# Altium PCB DieuKhien_PCB.PcbDoc
Units mm, origin at the board's own origin, x right, y up, seen from the top; angles counter-clockwise.
Board outline 98 x 85 mm, 2 copper layers (Top Layer, Bottom Layer), stack 1.58 mm thick; 16 components, 32 nets, 103 pads, 155 vias.
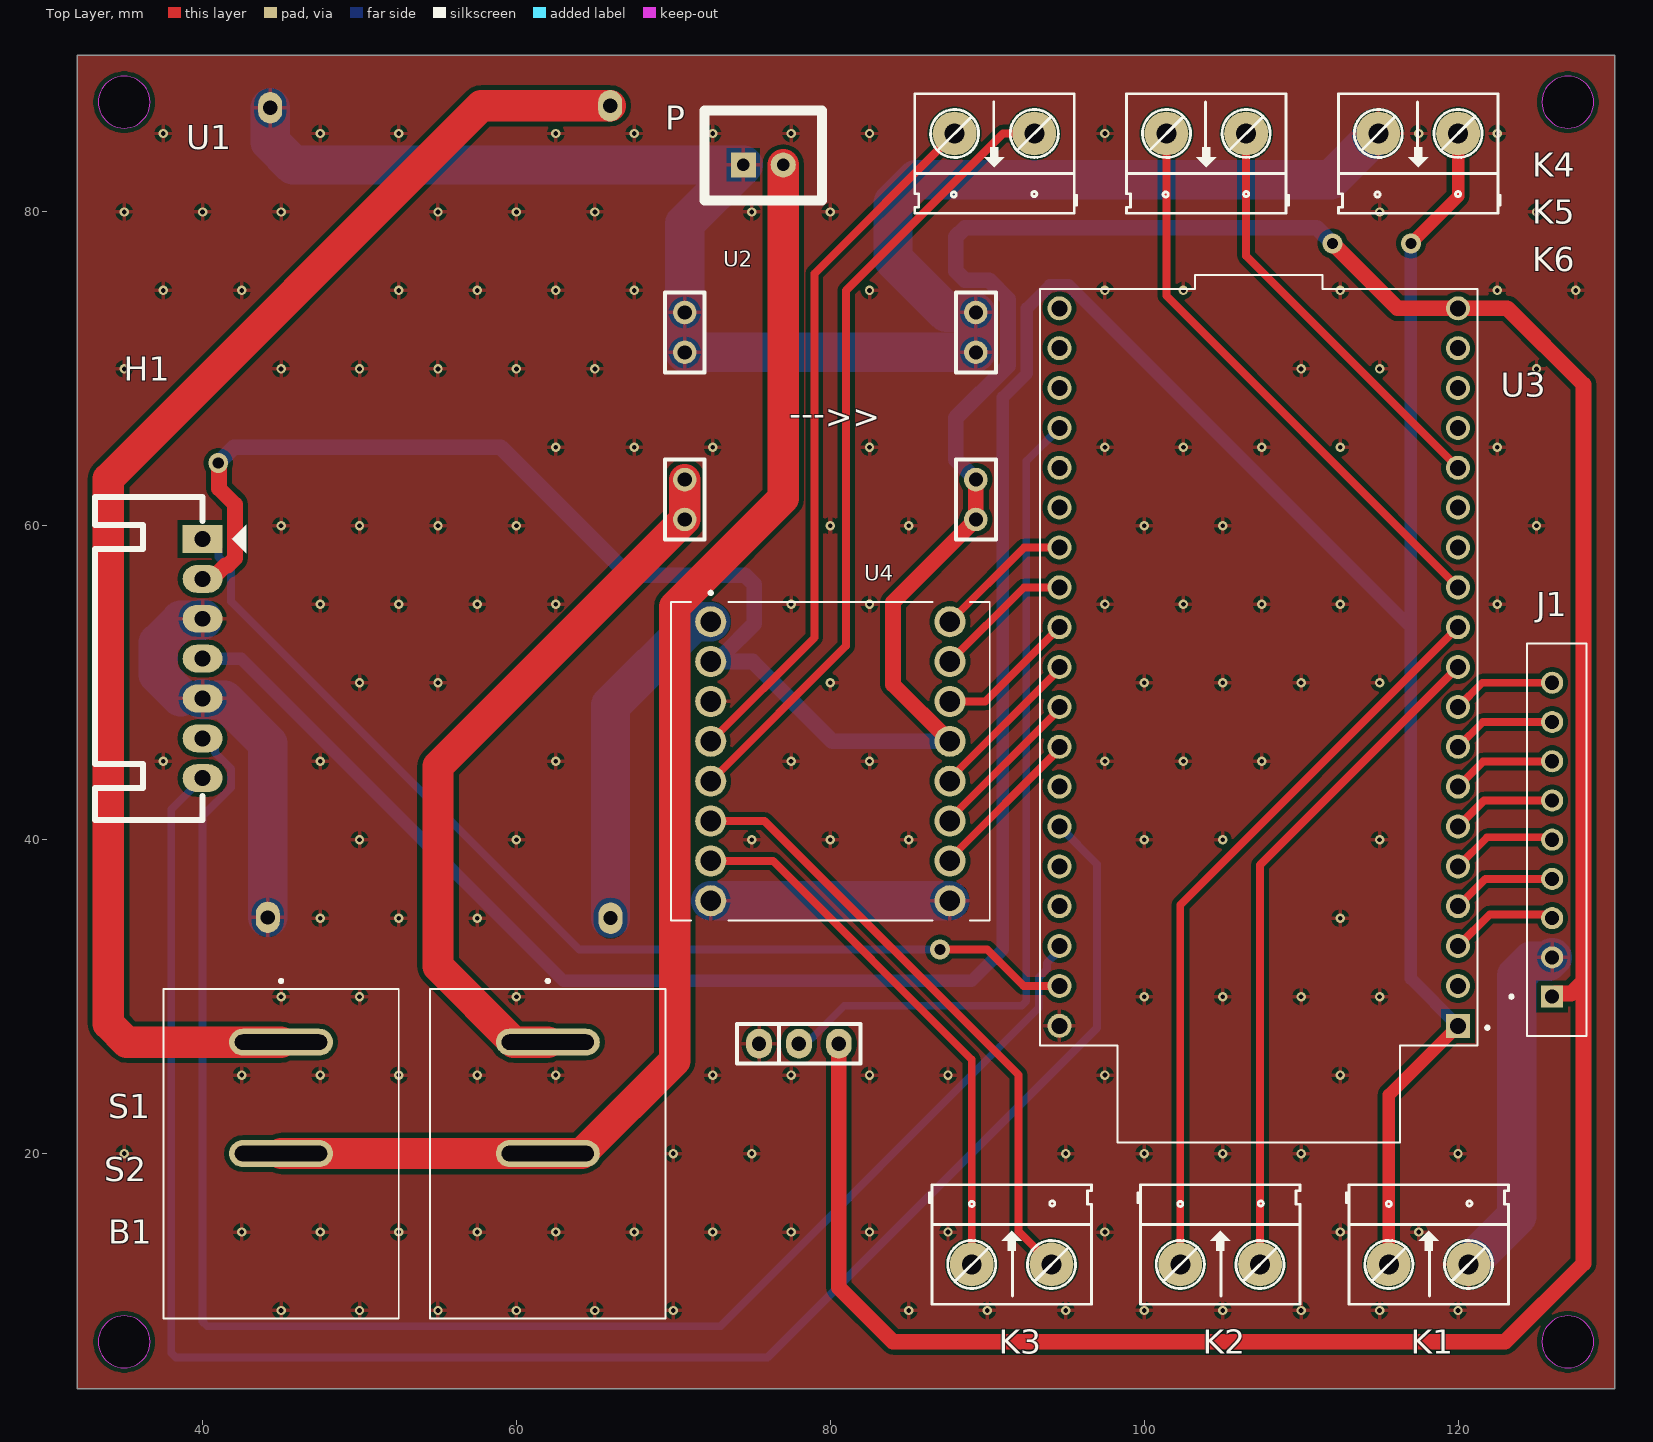
[diagram p0: Top Layer view]
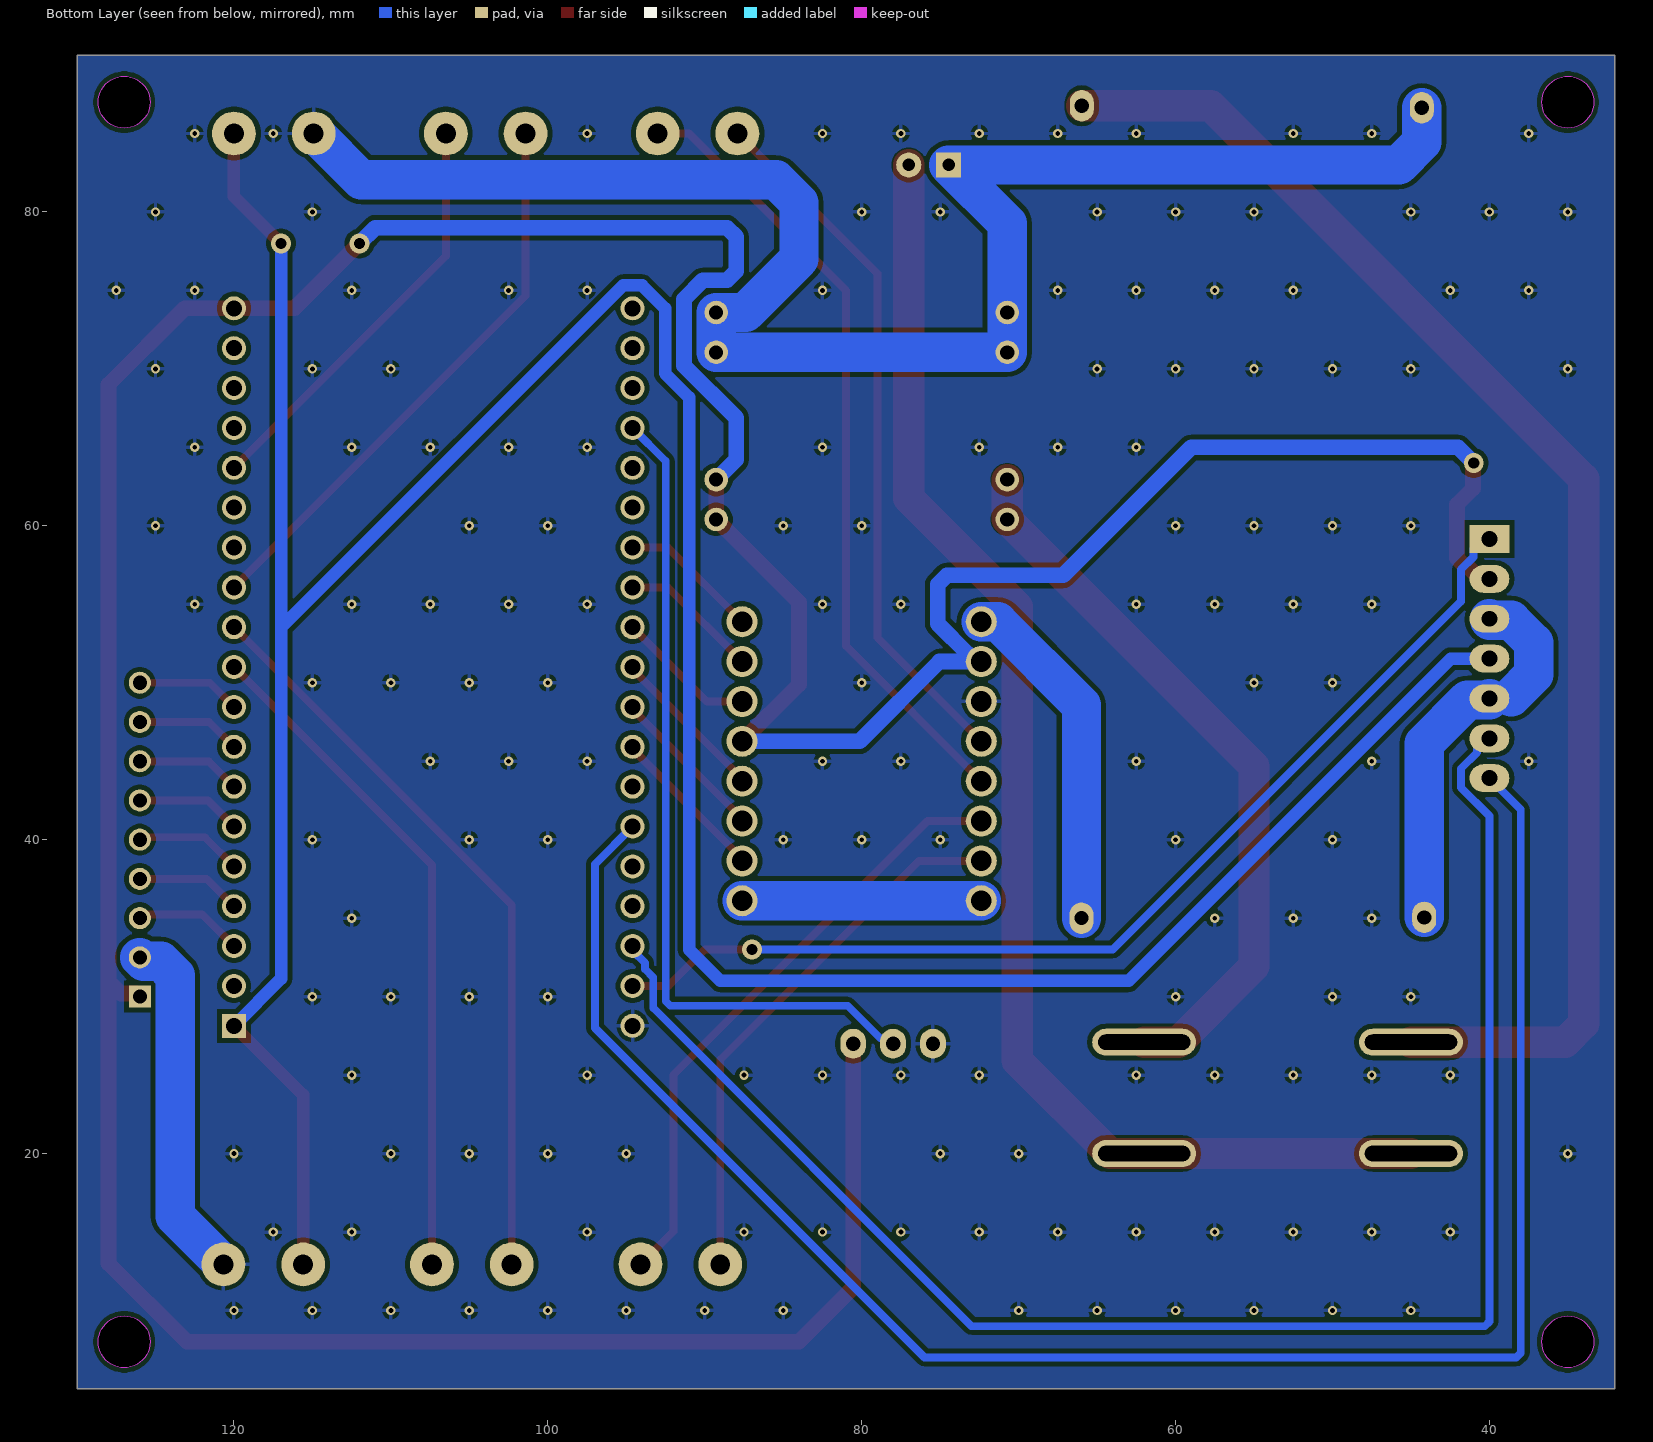
[diagram p1: Bottom Layer view, seen from below]
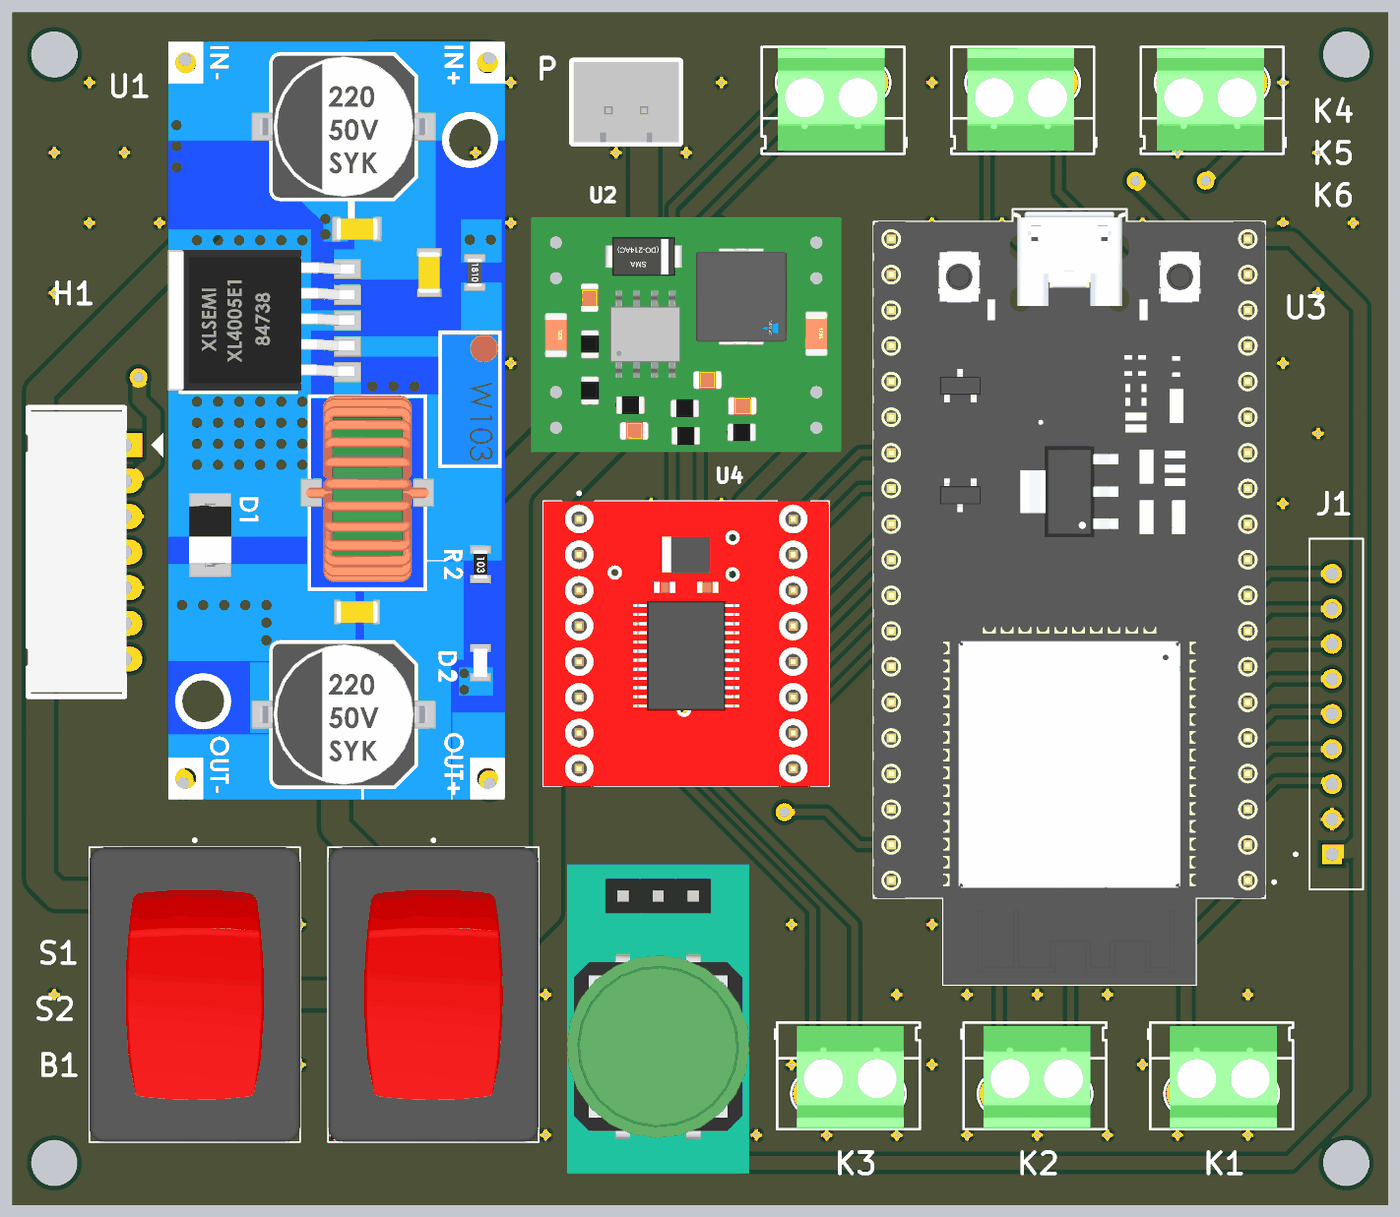
[diagram p2: 3D render of the assembled board from above, using the file's embedded part models]

## Layer stack, top to bottom
Top Solder: solder mask 0.01, Solder Resist, Dk 3.5
Top Layer: signal copper 0.035
Dielectric 1: dielectric 1.51, FR-4, Dk 4.8
Bottom Layer: signal copper 0.035
Bottom Solder: solder mask 0.01, Solder Resist, Dk 3.5

## Board outline
32,5 32,90 130,90 130,5
cut-out: 33.35,87 ccw(c35,87) 35,85.35 ccw(c35,87) 36.65,87 ccw(c35,87) 35,88.65 ccw(c35,87)
cut-out: 125.35,87 ccw(c127,87) 127,85.35 ccw(c127,87) 128.65,87 ccw(c127,87) 127,88.65 ccw(c127,87)
cut-out: 125.35,8 ccw(c127,8) 127,6.35 ccw(c127,8) 128.65,8 ccw(c127,8) 127,9.65 ccw(c127,8)
cut-out: 33.35,8 ccw(c35,8) 35,6.35 ccw(c35,8) 36.65,8 ccw(c35,8) 35,9.65 ccw(c35,8)
cut-out: 33.35,8 ccw(c35,8) 35,6.35 ccw(c35,8) 36.65,8 ccw(c35,8) 35,9.65 ccw(c35,8)
cut-out: 33.35,8 ccw(c35,8) 35,6.35 ccw(c35,8) 36.65,8 ccw(c35,8) 35,9.65 ccw(c35,8)

## Design rules (kind name [scope] priority, off if disabled: settings)
Clearance [All] p1: gap=0.3 ignorepadtopadclearanceinfootprint=FALSE
PolygonConnect [All] p1: connectstyle=Relief reliefconductorwidth=0.254 reliefentries=4 polygonreliefangle="90 Angle" airgapwidth=0.254
RoutingVias [All] p1: holewidth=0.711 width=1.27 viastyle="Through Hole" minholewidth=0.711 minwidth=1.27 maxholewidth=0.711 maxwidth=1.27
SolderMaskExpansion [All] p1: expansion=0.102 istentingtop=FALSE
Width Signal [All] p1: maxlimit=2.5 minlimit=0.3 preferedwidth=0.5
Width GND [InNet('GND')] p2: maxlimit=3 minlimit=1.5 preferedwidth=2.5
Width 12V [InNet('+12')] p3: maxlimit=2.5 minlimit=1.8 preferedwidth=2
Width 3V3 [InNet('+3.3')] p4: maxlimit=1 minlimit=0.5 preferedwidth=0.8
Width 5V [InNet('+5')] p5: maxlimit=1.5 minlimit=0.5 preferedwidth=1
Width 16.8V [InNet('+16.8')] p6: maxlimit=2.5 minlimit=1.8 preferedwidth=2
30 further rules are at their usual default settings.

## Components (designator, comment, footprint, x,y, rotation, side; value= is the part's Value field where it differs from the comment)
B1 "Button" ButtonModule 75.46,27 r0 top
H1 "Header 7P 2.54 Duc Cong" "Header 7P DC 2.54" 40,59.161 r180 top
J1 "440052-9" TE_440052-9 126,40 r90 top
K1 "CON 2 KF301" "Con 2 KF301 5.08" 115.59,12.933 r0 top
K2 "CON 2 KF301" "Con 2 KF301 5.08" 102.302,12.933 r0 top
K3 "CON 2 KF301" "Con 2 KF301 5.08" 89.015,12.933 r0 top
K4 "CON 2 KF301" "Con 2 KF301 5.08" 120,85 r180 top
K5 "CON 2 KF301" "Con 2 KF301 5.08" 106.5,85 r180 top
K6 "CON 2 KF301" "Con 2 KF301 5.08" 93,85 r180 top
P "Header 2P 2.54 Duc Thang" XH2.54M-2 74.46,83 r0 top
S1 "RF1-1A-DC-2-R-1" SW_RF1-1A-DC-2-R-1 45,20 r270 top
S2 "RF1-1A-DC-2-R-1" SW_RF1-1A-DC-2-R-1 62,20 r270 top
U1 "Xl4015" XL4015 43.978,86.892 r270 top
U2 "MP1584" MP1584 80,67 r180 top
U3 "ESP32-DEVKITC" MODULE_ESP32-DEVKITC 107.3,50.99 r180 top
U4 "TB6612FNG" MODULE_ROB-14450 80,45 r0 top

## Footprints (in the part's own frame and the unit in brackets; to place one, negate y for a bottom-side part, rotate by r counter-clockwise, add the part's x,y. Pads: shape width x height; smd on the part's side, far side on the other; paste and mask are expansions set on the pad)
ButtonModule [mil]
  oval 65x75 hole 35.98: GND(0,0) OUT(100,0) Vcc(200,0)
  silkscreen extent -55,-50 255,50, body extent -157,-776 357,90, height 606
"Con 2 KF301 5.08" [mil]
  round 110 hole 50: 1(0,0) 2(200,0)
  silkscreen extent -106,-100 300,200, body extent -45,-97 255,190, height 335
"Header 7P DC 2.54" [mil]
  rect 100x70 hole 40: 1(0,0.04)
  oval 100x70 hole 40: 2(0,100.04) 3(0,200.04) 4(0,300.04) 5(0,400.04) 6(0,500.04) 7(0,600.04)
  silkscreen extent -110,-105 270,705, body extent -5,-94 271,694, height 237
MODULE_ESP32-DEVKITC [mm]
  rect 1.53x1.53 / inner round 1.53 / far side rect 1.53x1.53 hole 1.02: 1(-12.7,22.85)
  round 1.53 hole 1.02: 2(-12.7,20.31) 3(-12.7,17.77) 4(-12.7,15.23) 5(-12.7,12.69) 6(-12.7,10.15) 7(-12.7,7.61) 8(-12.7,5.07) 9(-12.7,2.53) 10(-12.7,-0.01) 11(-12.7,-2.55) 12(-12.7,-5.09) 13(-12.7,-7.63) 14(-12.7,-10.17) 15(-12.7,-12.71) 16(-12.7,-15.25) 17(-12.7,-17.79) 18(-12.7,-20.33) 19(-12.7,-22.87) 20(12.7,-22.87) 21(12.7,-20.33) 22(12.7,-17.79) 23(12.7,-15.25) 24(12.7,-12.71) 25(12.7,-10.17) 26(12.7,-7.63) 27(12.7,-5.09) 28(12.7,-2.55) 29(12.7,-0.01) 30(12.7,2.53) 31(12.7,5.07) 32(12.7,7.61) 33(12.7,10.15) 34(12.7,12.69) 35(12.7,15.23) 36(12.7,17.77) 37(12.7,20.31) 38(12.7,22.85)
  silkscreen extent -14.67,-25 13.95,30.3, body extent -13.97,-24.8 13.97,30.3, height 6.69
MODULE_ROB-14450 [mm]
  round 1.98 hole 1.32: 1(-7.62,8.89) 2(-7.62,6.35) 3(-7.62,3.81) 4(-7.62,1.27) 5(-7.62,-1.27) 6(-7.62,-3.81) 7(-7.62,-6.35) 8(-7.62,-8.89) 9(7.62,-8.89) 10(7.62,-6.35) 11(7.62,-3.81) 12(7.62,-1.27) 13(7.62,1.27) 14(7.62,3.81) 15(7.62,6.35) 16(7.62,8.89)
  silkscreen extent -10.16,-10.16 10.16,10.83, body extent -10.16,-10.16 10.16,10.16, height 5.5
MP1584 [mm]
  round 1.5 hole 0.9: +VIN(9.275,6.595) +VIN(9.275,4.055) +VOUT(-9.275,6.595) +VOUT(-9.275,4.055) -VIN(9.275,-4.055) -VIN(9.275,-6.595) -VOUT(-9.275,-4.055) -VOUT(-9.275,-6.595)
  silkscreen extent -10.55,-7.87 10.55,7.87, body extent -11.05,-8.4 11.05,8.35, height 3.41
SW_RF1-1A-DC-2-R-1 [mm]
  oval 1.72x6.62 hole 0.98 slot 5.88 at 90 deg: 1(-7.1,0) 2(0,0)
  silkscreen extent -11.1,-7.5 10.5,7.5, body extent -10.5,-7.5 10.5,7.5, height 17.01
TE_440052-9 [mm]
  rect 1.408x1.408 hole 0.9: 1(-10,0)
  round 1.408 hole 0.9: 2(-7.5,0) 3(-5,0) 4(-2.5,0) 5(0,0) 6(2.5,0) 7(5,0) 8(7.5,0) 9(10,0)
  silkscreen extent -12.5,-2.2 12.5,2.7
XH2.54M-2 [mm]
  rect 1.6x1.6 hole 0.8: 1(0,0)
  round 1.6 hole 0.8: 2(2.54,0)
  silkscreen extent -2.48,-2.26 5.02,3.46, body extent -2.48,-2.26 5.02,3.48, height 6.91
XL4015 [mil]
  oval 78.74x60 hole 35.43: GND(10,13) GND(2041,7) Vin(5,866) Vout(2043,867)
  body extent -40,-35 2086,910, height 572

## Part data
B1: library part ButtonModule
H1 K1 K2 K3 K4 K5 K6 P: "Cắm", Chung_Loai=Cắm, Don_Vi=Con
  H1: Ma_Hang=MH004118, Ten_Linh_Kien="Header 7P XH2.54-7P Đực Cong"
  K1 K2 K3 K4 K5 K6: Ma_Hang=MH000987, Ten_Linh_Kien="CON 2 KF301-2P 5.08MM Xanh Dương"
  P: Ma_Hang=MH001283, Ten_Linh_Kien="Header 2P XH2.54-2P Đực Thẳng"
J1: Package=None, Availability=Unavailable, MP=440052-9, Price=None
S1 S2: "Switch, Mini Rocker, 2P SPST OFF-ON, Red w/ Print, VDC", Package=None, Check_prices=https://www.snapeda.com/parts/RF1-1A-DC-2-R-1/Switch+Components/view-part/?ref=eda, MF="Switch Components", MP=RF1-1A-DC-2-R-1, SnapEDA_Link=https://www.snapeda.com/parts/RF1-1A-DC-2-R-1/Switch+Components/view-part/?ref=snap
U3: "ESP32-WROOM-32UE series Transceiver; 802.11 b/g/n (Wi-Fi, WiFi, WLAN), Bluetooth Â® Smart Ready 4.x Dual Mode Evaluation Board", Package=None, Check_prices=https://www.snapeda.com/parts/ESP32-DEVKITC/Espressif+Systems/view-part/?ref=eda, MF="Espressif Systems", MP=ESP32-DEVKITC, SnapEDA_Link=https://www.snapeda.com/parts/ESP32-DEVKITC/Espressif+Systems/view-part/?ref=snap
U4: library part ROB-14450, "TB6612FNG Motor Controller/Driver Power Management Evaluation Board", Package=None, Availability="In Stock", Check_prices=https://www.snapeda.com/parts/ROB-14450/SparkFun%20Electronics/view-part/2656367/?ref=eda, MF="SparkFun Electronics", MP=ROB-14450, Price=None, SnapEDA_Link=https://www.snapeda.com/parts/ROB-14450/SparkFun%20Electronics/view-part/2656367/?ref=snap

## Via types
v1: diameter 0.6, hole 0.3, Top Layer to Bottom Layer, 151 vias
v2: diameter 1.27, hole 0.711, Top Layer to Bottom Layer, 4 vias

## Nets (pads, with @x,y where several pads share a name; then routed paths per layer and width w, separated by ;. In a path a pad name is that pad's centre, name@x,y a point inside that pad or via, vN(x,y) a via of type N, cw(c..) or ccw(c..) an arc to the next point about the centre after c; other vN are vias at no path point)
+3.3: H1.4 K1.1 K4.1 U3.1 | length 212.3
  Top Layer w0.8: K1.1 115.59,23.73 U3.1 ; v2(117,78) 120,81 K4.1
  Bottom Layer w0.8: H1.4 42.46,51.54 63,31 89,31 91,33 91,68.184 92.525,69.709 92.525,73.857 93.993,75.325 95.207,75.325 117,53.532 ; v2(117,78) 117,53.532 ; U3.1 117,31.14 117,53.532
+5: B1.Vcc H1.2 J1.1 U2.+VOUT U3.19 U4.2 U4.13 | length 279.2
  Top Layer w1: H1.2 40.592,56.62 41.443,57.471 41.601,57.471 42.07,57.94 42.07,61.365 41.052,62.383 41.052,63.948 v2(41,64) ; B1.Vcc 80.54,11.46 84,8 123,8 128,13 128,31 ; U4.13 84,49.89 84,55.13 89.275,60.405 U2.+VOUT@89.275,62.945 ; v2(112,78) 116.14,73.86 U3.19 123.14,73.86 128,69 128,31 ; J1.1 126.204,30.204 127.204,30.204 128,31
  Bottom Layer w1: v2(41,64) 42,65 59,65 67.156,56.844 74.57,56.844 75.156,56.258 75.156,53.767 U4.2@73.229,51.84 ; U4.2 75.048,51.35 80.128,46.27 U4.13 ; U2.+VOUT@89.275,62.945 88,64.22 88,66.881 91.325,70.206 91.325,74.444 90.124,75.645 88.586,75.645 88,76.231 88,78.414 88.586,79 111,79 v2(112,78)
+12: U1.Vout U4.1 | length 22.1
  Bottom Layer w2.5: U1.Vout 66,48.562 71.328,53.89 U4.1
+16.8: P.2 S1.2 S2.2 | length 87.5
  Top Layer w2: S1.2 S2.2 64.17,20 70.09,25.92 70.09,54.839 77,61.749 P.2
A01: K6.2 U4.4 | length 45.2
  Top Layer w0.5: U4.4 79,52.89 79,76.08 K6.2
A02: K6.1 U4.5 | length 51
  Top Layer w0.5: U4.5 81,52.35 81,75 91,85 K6.1
AI1: U3.28 U4.14 | length 8.9
  Top Layer w0.5: U4.14 89.87,48.81 U3.28
AI2: U3.27 U4.15 | length 8.9
  Top Layer w0.5: U4.15 92.35,56.08 U3.27
B01: K3.1 U4.7 | length 34.9
  Top Layer w0.5: U4.7 76.35,38.65 89.015,25.985 K3.1
B02: K3.2 U4.6 | length 39.3
  Top Layer w0.5: U4.6 75.81,41.19 92,25 92,15.028 K3.2
BI1: U3.29 U4.12 | length 10.2
  Top Layer w0.5: U4.12 87.62,43.875 94.6,50.855 U3.29
BI2: U3.30 U4.11 | length 10.2
  Top Layer w0.5: U4.11 87.62,41.335 94.6,48.315 U3.30
EA1: K5.1 U3.15 | length 26.9
  Top Layer w0.5: K5.1 106.5,77.2 U3.15
EA2: K5.2 U3.12 | length 36.6
  Top Layer w0.5: K5.2 101.42,74.66 U3.12
EB1: K2.1 U3.11 | length 47.9
  Top Layer w0.5: K2.1 102.302,35.842 U3.11
EB2: K2.2 U3.10 | length 43.3
  Top Layer w0.5: K2.2 107.382,38.382 U3.10
GND: B1.GND H1.3 H1.5 J1.2 K1.2 K4.2 P.1 U1.GND U2.-VIN U2.-VOUT U3.38 U4.3 U4.8 U4.9 | length 172.2
  Bottom Layer w2.5: 38.609,49.101 37.18,50.53 37.18,52.55 38.609,53.979 39.98,53.979 40,53.999 H1.3 ; H1.5 40,48.919 40.02,48.899 41.391,48.899 44.156,46.134 U1.GND@44.156,35.051 ; U1.GND@44.308,86.638 44.308,84.464 45.773,83 P.1 70.725,79.265 70.725,73.595 70.725,71.055 89.275,71.055 89.275,73.595 87.405,73.595 84,77 84,80.589 85.464,82.053 111.893,82.053 114.84,85 K4.2 ; U4.8 U4.9 ; K1.2 123.746,16.009 123.746,31.346 124.654,32.254 125.754,32.254 J1.2
  other v1: 45,10 50,10 55,10 60,10 65,10 70,10 85,10 90,10 95,10 100,10 105,10 110,10 115,10 120,10 42.5,15 47.5,15 52.5,15 57.5,15 62.5,15 67.5,15 72.5,15 77.5,15 82.5,15 87.5,15 97.5,15 112.5,15 117.5,15 35,20 70,20 75,20 95,20 100,20 105,20 110,20 120,20 42.5,25 47.5,25 52.5,25 57.5,25 62.5,25 72.5,25 77.5,25 82.5,25 87.5,25 97.5,25 112.5,25 45,30 50,30 60,30 100,30 105,30 110,30 115,30 47.5,35 52.5,35 57.5,35 112.5,35 50,40 60,40 75,40 80,40 85,40 100,40 105,40 115,40 37.5,45 47.5,45 62.5,45 77.5,45 82.5,45 97.5,45 102.5,45 107.5,45 50,50 55,50 80,50 100,50 105,50 110,50 115,50 47.5,55 52.5,55 57.5,55 62.5,55 77.5,55 82.5,55 97.5,55 102.5,55 107.5,55 112.5,55 122.5,55 45,60 50,60 55,60 60,60 80,60 85,60 100,60 105,60 125,60 62.5,65 67.5,65 72.5,65 82.5,65 97.5,65 102.5,65 107.5,65 112.5,65 122.5,65 35,70 45,70 50,70 55,70 60,70 65,70 110,70 115,70 125,70 37.5,75 42.5,75 52.5,75 57.5,75 62.5,75 67.5,75 82.5,75 97.5,75 102.5,75 112.5,75 122.5,75 127.5,75 35,80 40,80 45,80 55,80 60,80 65,80 75,80 80,80 115,80 125,80 37.5,85 47.5,85 52.5,85 62.5,85 67.5,85 72.5,85 77.5,85 82.5,85 97.5,85 117.5,85 122.5,85
NetS1_1: S1.1 U1.Vin | length 88
  Top Layer w2: S1.1 35.172,27.1 34,28.272 34,63 57.765,86.765 U1.Vin
NetS2_1: S2.1 U2.+VIN | length 46.5
  Top Layer w2: S2.1 59.83,27.1 55,31.93 55,44.68 70.725,60.405 U2.+VIN@70.725,62.945
PWMA: U3.26 U4.16 | length 8.9
  Top Layer w0.5: U4.16 92.35,58.62 U3.26
PWMB: U3.31 U4.10 | length 10.2
  Top Layer w0.5: U4.10 87.62,38.795 94.6,45.775 U3.31
S1: J1.3 U3.3 | length 6.9
  Top Layer w0.5: U3.3 122.018,35.238 125.516,35.238 125.754,35 J1.3
S2: J1.4 U3.4 | length 6.7
  Top Layer w0.5: U3.4 121.74,37.5 J1.4
S3: J1.5 U3.5 | length 6.8
  Top Layer w0.5: U3.5 121.853,40.153 125.847,40.153 J1.5
S4: J1.6 U3.6 | length 6.7
  Top Layer w0.5: U3.6 121.66,42.5 J1.6
S5: J1.7 U3.7 | length 6.6
  Top Layer w0.5: U3.7 121.595,44.975 J1.7@125.975,44.975
S6: J1.8 U3.8 | length 6.6
  Top Layer w0.5: U3.8 121.571,47.491 J1.8@125.991,47.491
S7: J1.9 U3.9 | length 6.6
  Top Layer w0.5: U3.9 121.54,50 J1.9
SCL: H1.6 U3.36 | length 105
  Bottom Layer w0.5: H1.6 40.035,46.46 40.787,45.708 40.787,45.549 41.82,44.516 41.82,43.324 40,41.504 40,9.293 40.293,9 73,9 93.285,29.285 93.285,31.225 93.8,31.74 93.8,32.141 94.6,32.941 U3.36
SDA: H1.7 U3.33 | length 119.1
  Bottom Layer w0.5: H1.7 39.965,43.92 39.374,43.33 39.374,43.294 38,41.92 38,7.293 38.293,7 76,7 97,28 97,38.44 U3.33
Servo: H1.1 U3.37 | length 67.9
  Top Layer w0.5: v2(87,33) 90,33 92.32,30.68 U3.37
  Bottom Layer w0.5: H1.1 40.381,59.16 41.02,58.521 41.02,58.016 41.82,57.216 41.82,55.18 64,33 v2(87,33)
Start: B1.OUT U3.23 | length 53
  Bottom Layer w0.5: B1.OUT 78.347,27.347 78.815,27.347 80.888,29.42 92.192,29.42 92.485,29.713 92.485,64.125 U3.23
pads on no net: U3.2 U3.13 U3.14 U3.16 U3.17 U3.18 U3.20 U3.21 U3.22 U3.24 U3.25 U3.32 U3.34 U3.35

## Polygon pours and split planes (outlines as drawn)
GND on Top Layer "GND_L01_P000" (solid, pour order 0): 32,90 130,90 130,5 32,5
GND on Bottom Layer "GND_L02_P001" (solid, pour order 1): 32,90 130,90 130,5 32,5

## Keep-outs
Keep-Out Layer:
  pour cut-out: 33.35,8 ccw(c35,8) 35,6.35 ccw(c35,8) 36.65,8 ccw(c35,8) 35,9.65 ccw(c35,8)

## Other copper
Top Layer:
  pour cut-out: 33.35,8 ccw(c35,8) 35,6.35 ccw(c35,8) 36.65,8 ccw(c35,8) 35,9.65 ccw(c35,8)

## Text inside footprints (layer, text, board x,y; h text height)
U2: Top Overlay "<<---" at 83.181,67.517 h1.52 r180